# KiCad board SNES Device.kicad_pcb
title: SNES Controller Device; date: 2022-03-04; rev: 0.6; company: HCP65
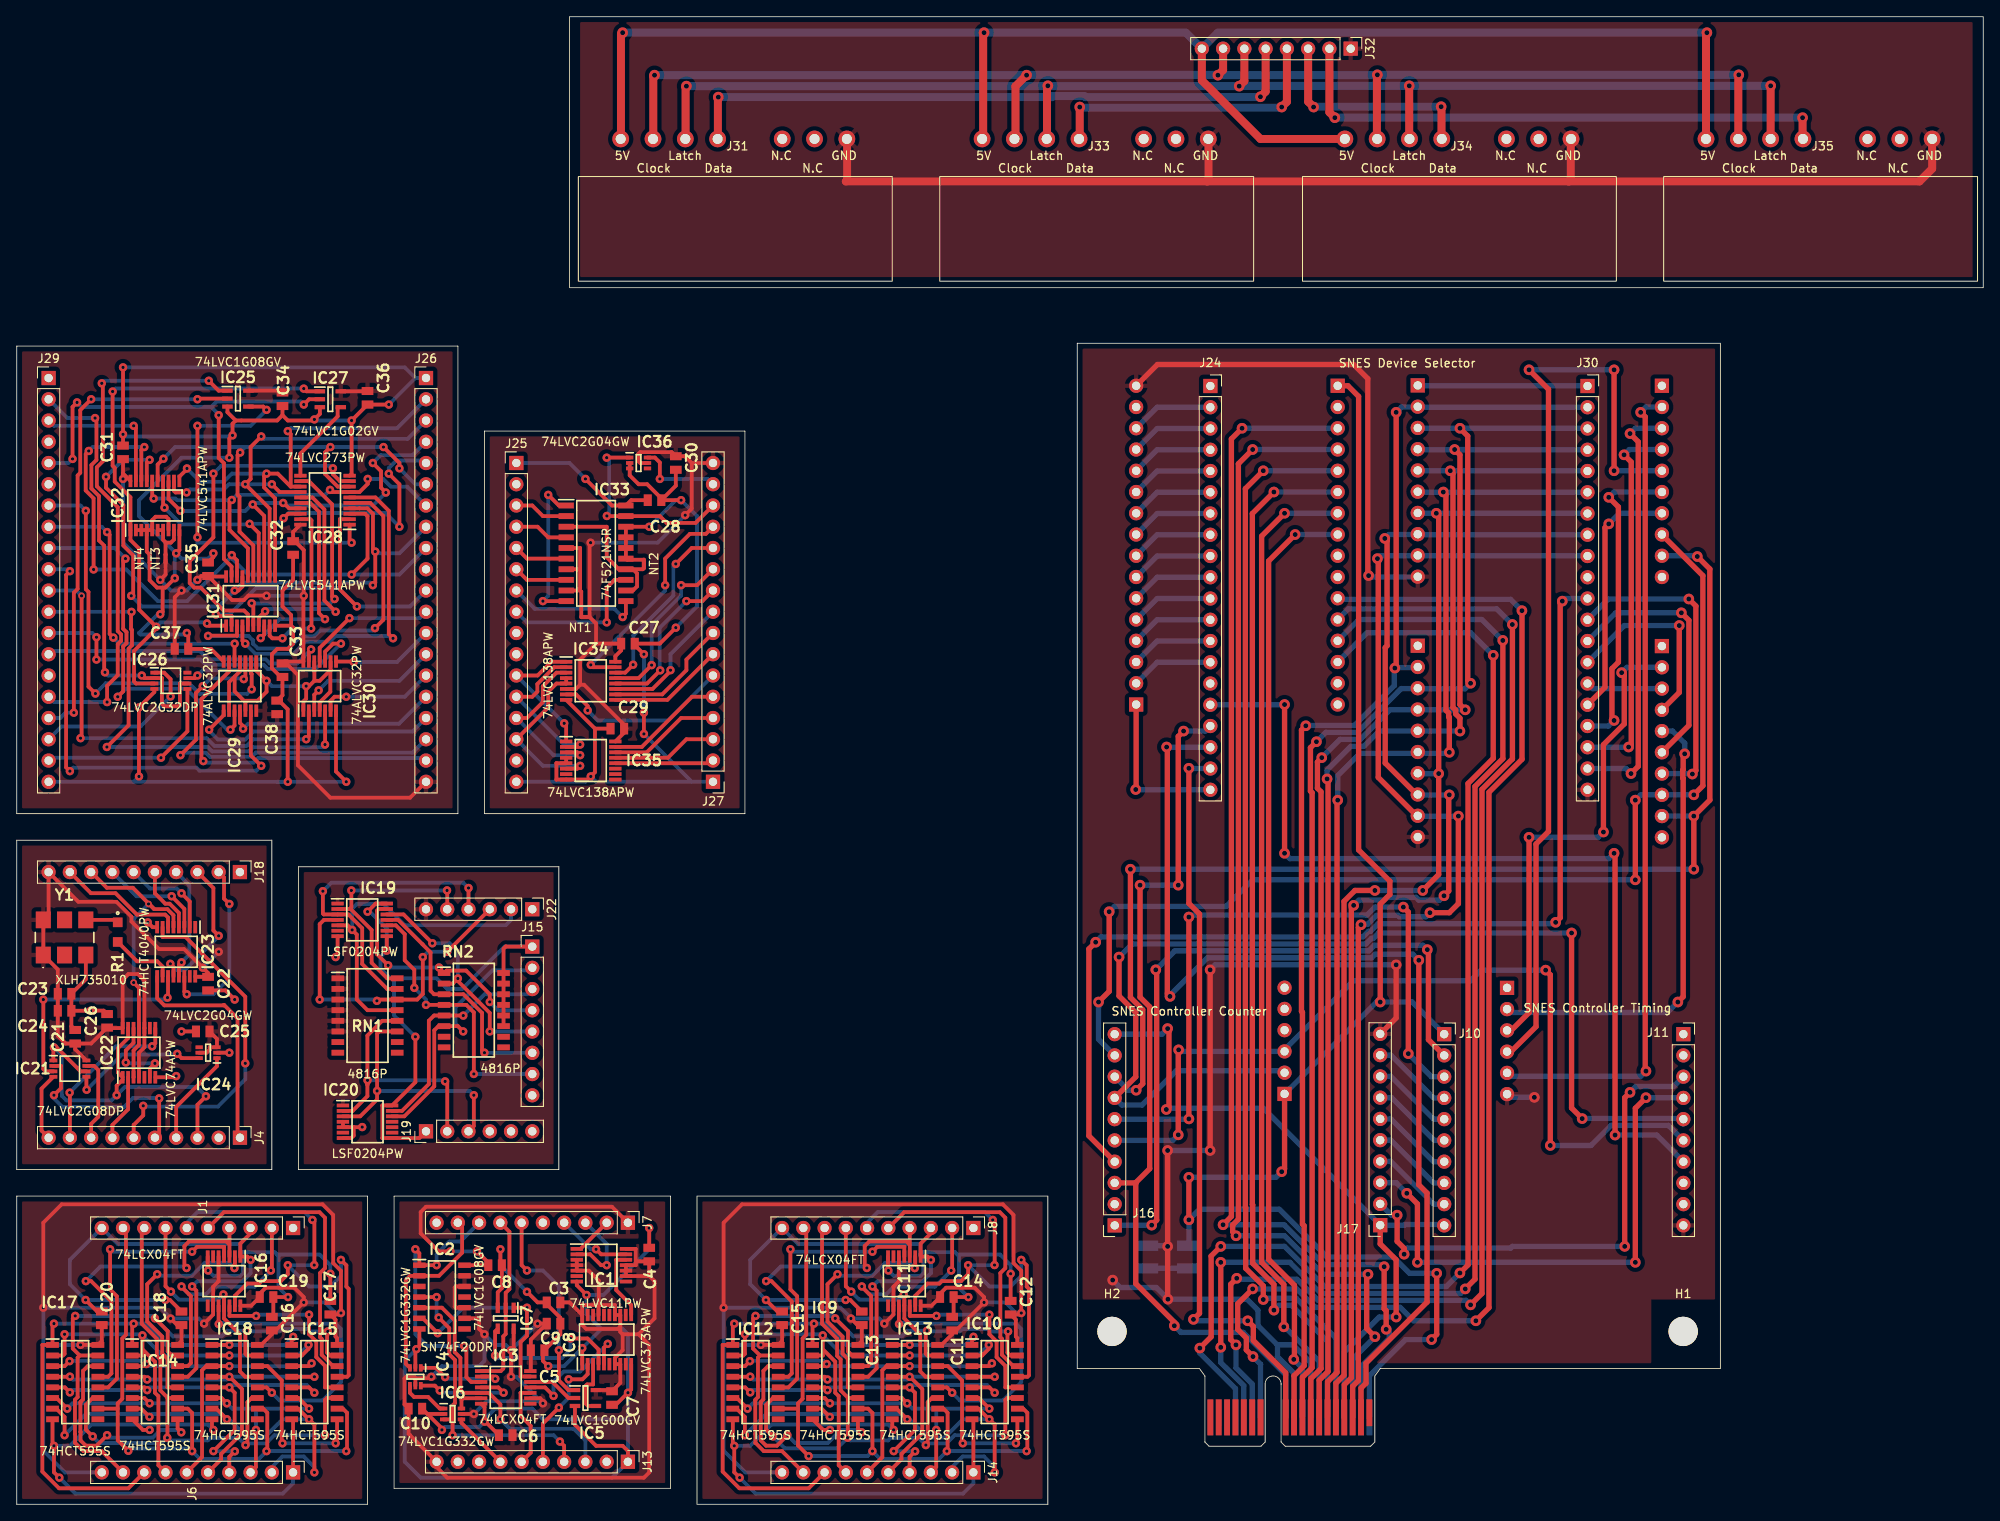
[diagram p0: board, top side]
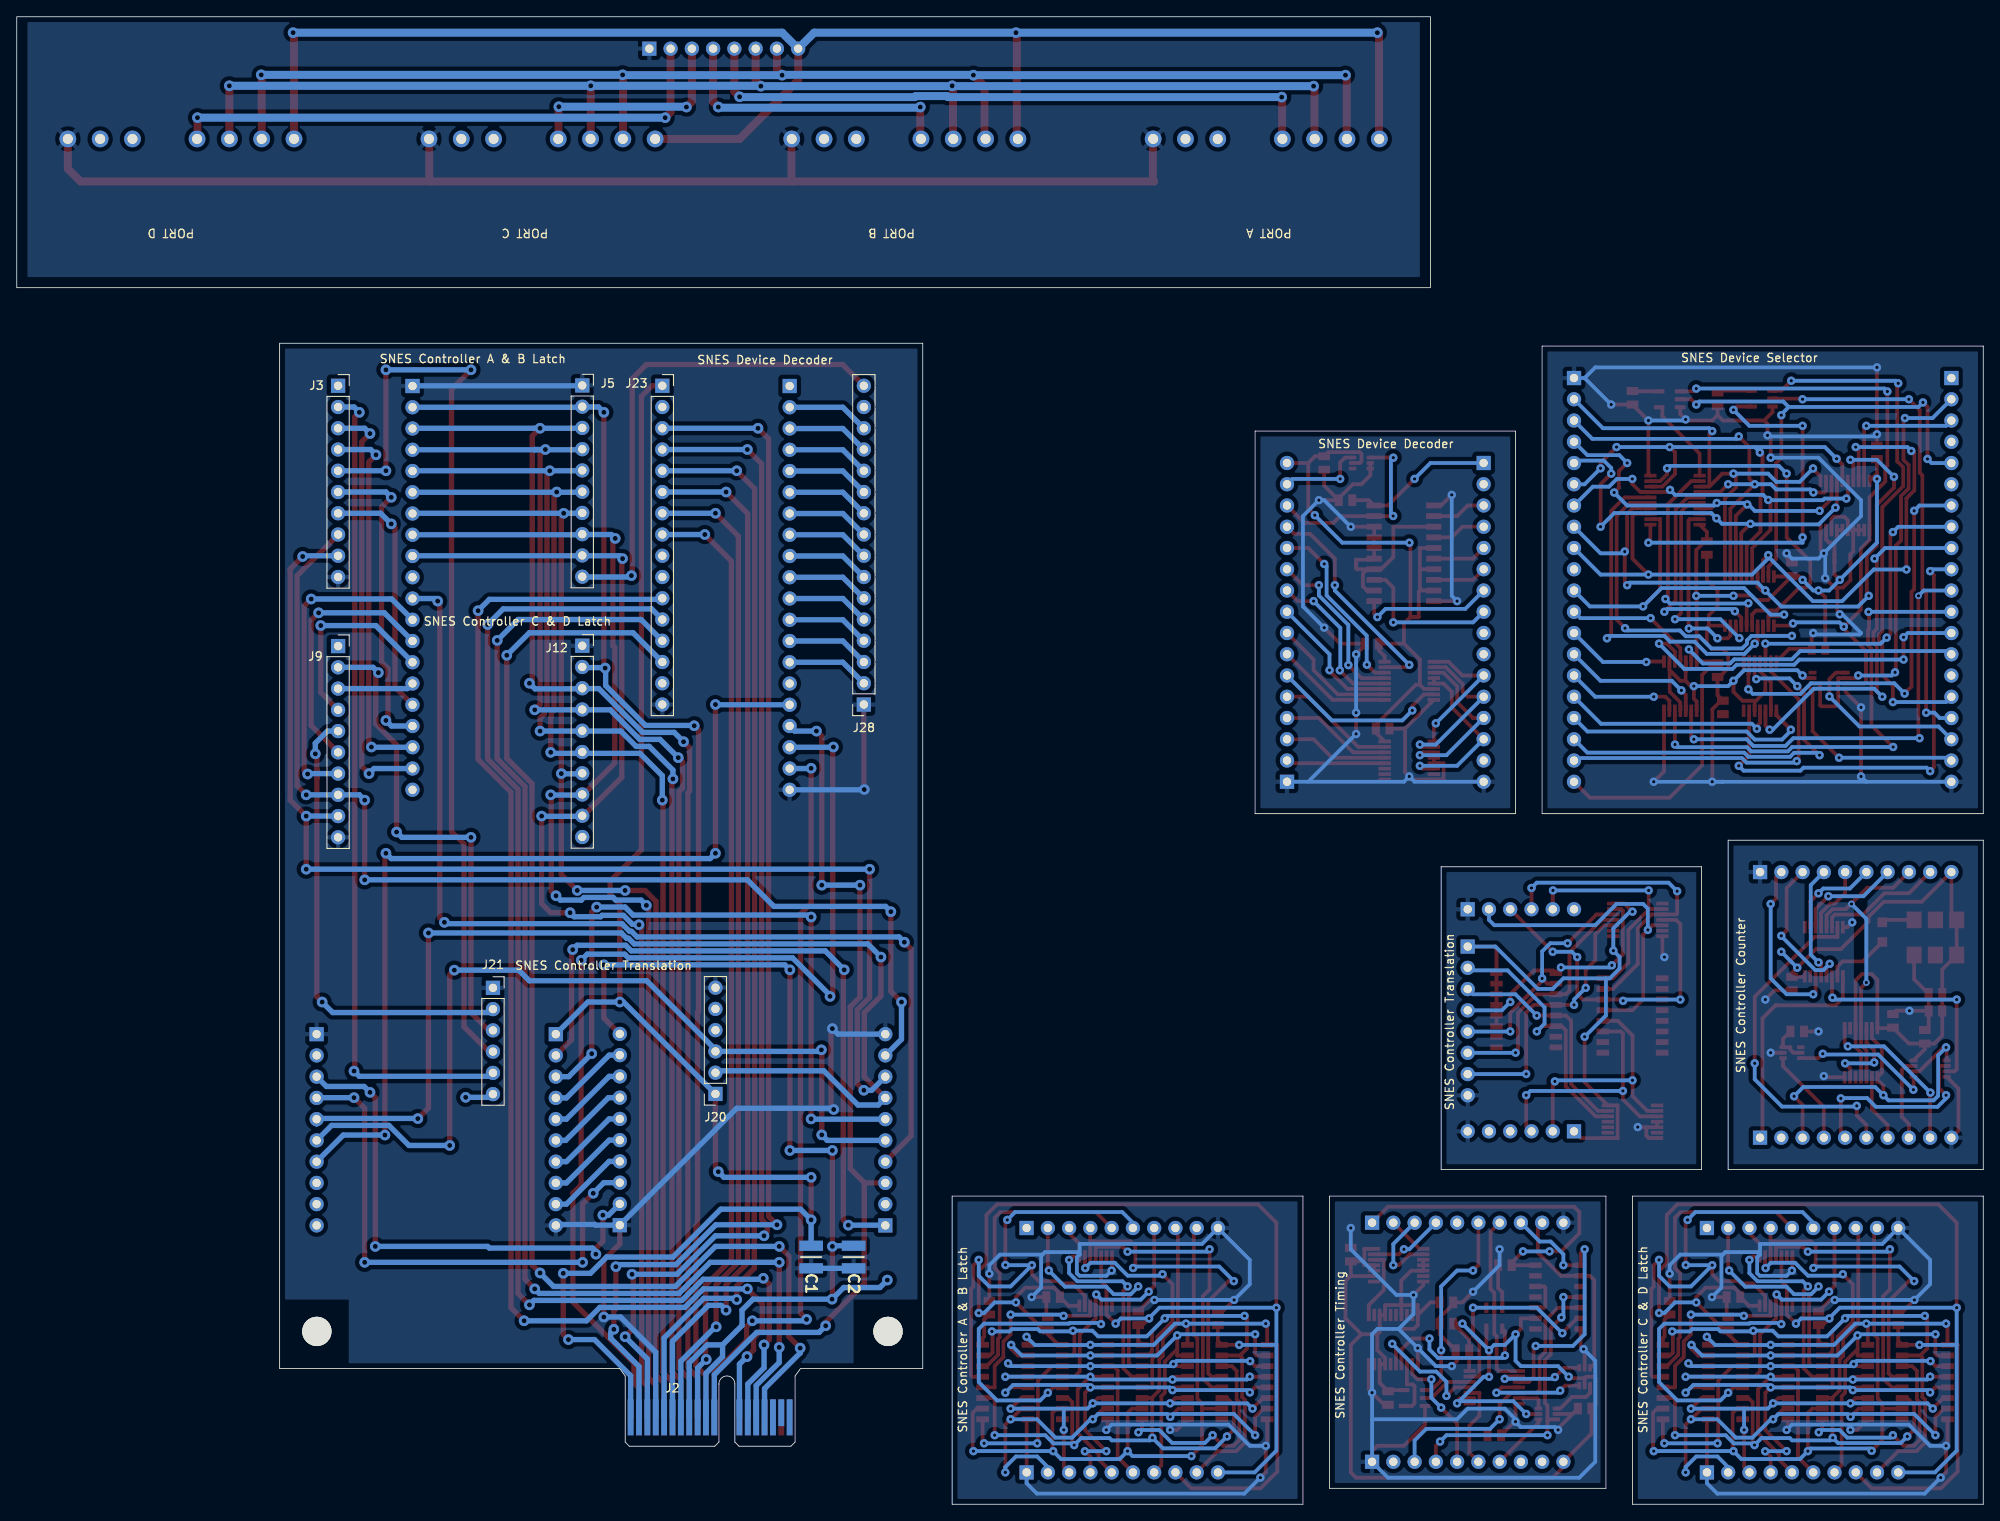
[diagram p1: board, bottom side, seen from below]

Outline 234.95 x 177.8 mm; copper layers: Top, Bottom. Coordinates in mm from the lower left corner of the outline.
Outline path: rectangle 66.04,177.8 234.95,145.41 ; 141.96,15.34 141.31,16.22 126.71,16.22 126.71,138.77 203.54,138.77 203.54,16.22 162.9,16.22 162.26,15.34 ; 0,138.43 52.7,138.43 52.7,82.55 0,82.55 0,138.43 ; 0,79.38 30.48,79.38 30.48,40 0,40 0,79.38 ; 0,36.83 41.91,36.83 41.91,0 0,0 0,36.83 ; 33.66,76.2 64.77,76.2 64.77,40 33.66,40 33.66,76.2 ; 45.08,36.83 78.1,36.83 78.1,1.91 45.08,1.91 45.08,36.83 ; 55.88,128.27 55.88,82.55 86.99,82.55 86.99,128.27 55.88,128.27 ; 81.28,36.83 123.19,36.83 123.19,0 81.28,0 81.28,36.83
Stack: Top 0.035mm / dielectric 1.51mm FR4 er 4.5 / Bottom 0.035mm

## Placement (name value [footprint] x y rotation side)
C1  LMK325ABJ107MM-T  [CAPC3226X280N]  140.04 29.55 270 bottom
C2  LMK325ABJ107MM-T  [CAPC3226X280N]  134.96 29.55 90 bottom
C3  885012207033  [CAPC2012X90N]  64.13 24.13 180 top
C4  885012207033  [CAPC2012X90N]  75.56 29.84 90 top
C5  885012207033  [CAPC2012X90N]  62.23 18.41 0 top
C6  885012207033  [CAPC2012X90N]  58.42 8.25 180 top
C7  885012207033  [CAPC2012X90N]  71.12 12.7 270 top
C8  885012207033  [CAPC2012X90N]  57.15 28.57 0 top
C9  885012207033  [CAPC2012X90N]  64.13 21.59 0 top
C10  885012207033  [CAPC2012X90N]  47.62 11.43 0 top
C11  885012207033  [CAPC2012X90N]  111.76 21.59 90 top
C12  885012207033  [CAPC2012X90N]  118.74 23.5 90 top
C13  885012207033  [CAPC2012X90N]  100.96 22.22 90 top
C14  885012207033  [CAPC2012X90N]  111.12 24.76 0 top
C15  885012207033  [CAPC2012X90N]  91.44 22.22 90 top
C16  885012207033  [CAPC2012X90N]  30.48 21.59 90 top
C17  885012207033  [CAPC2012X90N]  37.47 23.5 90 top
C18  885012207033  [CAPC2012X90N]  19.68 22.22 90 top
C19  885012207033  [CAPC2012X90N]  29.85 24.76 0 top
C20  885012207033  [CAPC2012X90N]  10.16 22.22 90 top
C21  885012207033  [CAPC2012X90N]  6.98 55.88 90 top
C22  885012207033  [CAPC2012X90N]  22.86 62.23 270 top
C23  885012207027  [CAPC2012X90N]  5.71 61.02 0 top
C24  885012207033  [CAPC2012X90N]  5.71 58.99 0 top
C25  885012207033  [CAPC2012X90N]  22.22 56.51 180 top
C26  885012207033  [CAPC2012X90N]  10.79 57.78 90 top
C27  885012207033  [CAPC2012X90N]  73.02 102.87 0 top
C28  885012207033  [CAPC2012X90N]  76.2 120.01 0 top
C29  885012207033  [CAPC2012X90N]  71.75 92.71 180 top
C30  885012207033  [CAPC2012X90N]  78.74 124.46 270 top
C31  885012207033  [CAPC2012X90N]  12.7 125.73 90 top
C32  885012207033  [CAPC2012X90N]  33.02 114.3 270 top
C33  885012207033  [CAPC2012X90N]  31.75 99.69 270 top
C34  885012207033  [CAPC2012X90N]  31.75 132.08 270 top
C35  885012207033  [CAPC2012X90N]  22.86 111.76 90 top
C36  885012207033  [CAPC2012X90N]  41.91 132.25 270 top
C37  885012207033  [CAPC2012X90N]  19.68 102.23 0 top
C38  885012207033  [CAPC2012X90N]  31.11 95.25 90 top
H1  MountingHole  [MountingHole_3.5mm]  199.1 20.66 0 top
H2  MountingHole  [MountingHole_3.5mm]  130.86 20.66 0 top
IC1  74LVC11PW,112  [SOP65P640X110-14N]  69.85 28.57 0 top
IC2  SN74F20DR  [SOIC127P600X175-14N]  50.8 24.76 0 top
IC3  74LCX04FT_AE_  [SOP65P640X120-14N]  58.42 13.97 0 top
IC4  74LVC1G332GW-Q100H  [SOP65P210X110-6N]  47.62 15.24 270 top
IC5  74LVC1G00GV,125  [SOT95P275X110-5N]  67.94 12.7 0 top
IC6  74LVC1G332GW-Q100H  [SOP65P210X110-6N]  52.07 10.79 0 top
IC7  74LVC1G08GV,125  [SOT95P275X110-5N]  58.42 22.22 270 top
IC8  74LVC373APW,118  [SOP65P640X110-20N]  70.48 19.69 90 top
IC9  74HCT595S16-13  [SOIC127P600X175-16N]  97.79 14.6 0 top
IC10  74HCT595S16-13  [SOIC127P600X175-16N]  116.84 14.6 0 top
IC11  74LCX04FT_AE_  [SOP65P640X120-14N]  106.05 26.67 270 top
IC12  74HCT595S16-13  [SOIC127P600X175-16N]  88.27 14.6 0 top
IC13  74HCT595S16-13  [SOIC127P600X175-16N]  107.31 14.6 0 top
IC14  74HCT595S16-13  [SOIC127P600X175-16N]  16.51 14.6 0 top
IC15  74HCT595S16-13  [SOIC127P600X175-16N]  35.56 14.6 0 top
IC16  74LCX04FT_AE_  [SOP65P640X120-14N]  24.76 26.67 270 top
IC17  74HCT595S16-13  [SOIC127P600X175-16N]  6.98 14.6 0 top
IC18  74HCT595S16-13  [SOIC127P600X175-16N]  26.04 14.6 0 top
IC19  LSF0204PW-Q100J  [SOP65P640X110-14N]  41.28 69.85 0 top
IC20  LSF0204PW-Q100J  [SOP65P640X110-14N]  41.91 45.72 0 top
IC21  74LVC2G08DP-Q100H  [SOP65P400X110-8N]  6.35 52.07 0 top
IC22  74LVC74APW,118  [SOP65P640X110-14N]  14.61 53.97 90 top
IC23  74HCT4040PW,118  [SOP65P640X110-16N]  19.05 66.04 270 top
IC24  74LVC2G04GW-Q100H  [SOP65P210X110-6N]  22.86 53.97 180 top
IC25  74LVC1G08GV,125  [SOT95P275X110-5N]  26.43 132.16 0 top
IC26  74LVC2G32DP,125  [SOP65P400X110-8N]  18.42 98.42 0 top
IC27  74LVC1G02GV,125  [SOT95P275X110-5N]  37.47 132.08 0 top
IC28  74LVC273PW,118  [SOP65P640X110-20N]  36.83 120.01 180 top
IC29  74ALVC32PW,118  [SOP65P640X110-14N]  26.67 97.79 270 top
IC30  74ALVC32PW,118  [SOP65P640X110-14N]  36.19 97.79 90 top
IC31  74LVC541APW,118  [SOP65P640X110-20N]  27.94 107.95 90 top
IC32  74LVC541APW,118  [SOP65P640X110-20N]  16.51 119.38 90 top
IC33  SN74F521NSR  [SOIC127P780X200-20N]  69.21 113.66 0 top
IC34  74LVC138APW-Q100J  [SOP65P640X110-16N]  68.58 98.42 0 top
IC35  74LVC138APW-Q100J  [SOP65P640X110-16N]  68.58 88.9 0 top
IC36  74LVC2G04GW-Q100H  [SOP65P210X110-6N]  74.3 124.46 0 top
J1  Conn_01x10_Male  [PinHeader_1x10_P2.54mm_Vertical]  33.02 33.02 270 top
J2  HCP65_PCI_Express_x36_pin  [BUS_PCIexpress_x1]  161.61 10.39 180 bottom
J3  Conn_02x05_Top_Bottom  [PinSocket_1x10_P2.54mm_Vertical]  196.56 133.69 180 bottom
J4  Conn_01x10_Male  [PinHeader_1x10_P2.54mm_Vertical]  26.67 43.81 270 top
J5  Conn_02x05_Top_Bottom  [PinSocket_1x10_P2.54mm_Vertical]  167.39 133.73 180 bottom
J6  Conn_01x10_Male  [PinHeader_1x10_P2.54mm_Vertical]  33.02 3.81 270 top
J7  Conn_01x10_Male  [PinHeader_1x10_P2.54mm_Vertical]  73.02 33.66 270 top
J8  Conn_01x10_Male  [PinHeader_1x10_P2.54mm_Vertical]  114.3 33.02 270 top
J9  Conn_02x05_Top_Bottom  [PinSocket_1x10_P2.54mm_Vertical]  196.56 102.58 180 bottom
J10  Conn_02x05_Top_Bottom  [PinSocket_1x10_P2.54mm_Vertical]  170.55 56.19 0 top
J11  Conn_02x05_Top_Bottom  [PinSocket_1x10_P2.54mm_Vertical]  199.12 56.19 0 top
J12  Conn_02x05_Top_Bottom  [PinSocket_1x10_P2.54mm_Vertical]  167.39 102.62 180 bottom
J13  Conn_01x10_Male  [PinHeader_1x10_P2.54mm_Vertical]  73.02 5.08 270 top
J14  Conn_01x10_Male  [PinHeader_1x10_P2.54mm_Vertical]  114.3 3.81 270 top
J15  Conn_01x08_Male  [PinHeader_1x08_P2.54mm_Vertical]  61.59 66.66 0 top
J16  Conn_02x05_Top_Bottom  [PinSocket_1x10_P2.54mm_Vertical]  131.18 33.33 180 top
J17  Conn_02x05_Top_Bottom  [PinSocket_1x10_P2.54mm_Vertical]  162.9 33.36 180 top
J18  Conn_01x10_Male  [PinHeader_1x10_P2.54mm_Vertical]  26.67 75.56 270 top
J19  Conn_01x06_Male  [PinHeader_1x06_P2.54mm_Vertical]  48.89 44.58 90 top
J20  Conn_02x03_Top_Bottom  [PinSocket_1x06_P2.54mm_Vertical]  151.47 49.05 0 bottom
J21  Conn_02x03_Top_Bottom  [PinSocket_1x06_P2.54mm_Vertical]  178.05 61.72 180 bottom
J22  Conn_01x06_Male  [PinHeader_1x06_P2.54mm_Vertical]  61.59 71.12 270 top
J23  Conn_01x16_Female  [PinSocket_1x16_P2.54mm_Vertical]  157.82 133.69 180 bottom
J24  Conn_01x20_Female  [PinSocket_1x20_P2.54mm_Vertical]  142.61 133.66 0 top
J25  Conn_01x16_Male  [PinHeader_1x16_P2.54mm_Vertical]  59.69 124.46 0 top
J26  Conn_01x20_Male  [PinHeader_1x20_P2.54mm_Vertical]  48.89 134.62 0 top
J27  Conn_01x16_Male  [PinHeader_1x16_P2.54mm_Vertical]  83.19 86.36 180 top
J28  Conn_01x16_Female  [PinSocket_1x16_P2.54mm_Vertical]  133.74 95.59 0 bottom
J29  Conn_01x20_Male  [PinHeader_1x20_P2.54mm_Vertical]  3.81 134.62 0 top
J30  Conn_01x20_Female  [PinSocket_1x20_P2.54mm_Vertical]  187.67 133.66 0 top
J31  Conn_01x07_Male  [SNES Controller Port]  87.6 163.19 0 top
J32  Conn_01x08_Male  [PinHeader_1x08_P2.54mm_Vertical]  159.37 173.98 270 top
J33  Conn_01x07_Male  [SNES Controller Port]  130.78 163.19 0 top
J34  Conn_01x07_Male  [SNES Controller Port]  174.12 163.19 0 top
J35  Conn_01x07_Male  [SNES Controller Port]  217.27 163.19 0 top
NT1  NetTie_2  [NetTie-2_SMD_Pad0.5mm]  67.94 106.04 180 top
NT2  NetTie_2  [NetTie-2_SMD_Pad0.5mm]  74.93 112.39 270 top
NT3  NetTie_2  [NetTie-2_SMD_Pad0.5mm]  17.78 113.03 90 top
NT4  NetTie_2  [NetTie-2_SMD_Pad0.5mm]  15.88 113.03 90 top
R1  ERJ-P06F49R9V  [ERJP06__0805_]  12.07 68.38 270 top
RN1  4816P-1-222LF  [SOIC127P762X215-16N]  41.91 58.42 0 top
RN2  4816P-1-222LF  [SOIC127P762X215-16N]  54.61 59.06 0 top
Y1  XLH735010.000000X  [XLH735010000000X]  5.71 67.75 0 top

## Library data of the parts
C1 C2 = -: Description: Multilayer Ceramic Capacitors MLCC - SMD/SMT 100uF 10V X5R +/-20% 1210 Gen Purp; Arrow Price/Stock: https://www.arrow.com/en/products/lmk325abj107mm-t/taiyo-yuden; Height: 2.8; Manufacturer_Name: TAIYO YUDEN; Mouser Part Number: 963-LMK325ABJ107MM-T; Mouser Price/Stock: https://www.mouser.co.uk/ProductDetail/Taiyo-Yuden/LMK325ABJ107MM-T?qs=vF%252B8ahGVildt1dMAR3otvQ%3D%3D
C3-C22 C24-C38 = -: Description: MLCC 1000pF; Height: 0.9; Manufacturer_Name: Wurth Elektronik; Mouser Part Number: 710-885012207033; Mouser Price/Stock: https://www.mouser.co.uk/ProductDetail/Wurth-Elektronik/885012207033?qs=0KOYDY2FL28ky2lrUPvQ%2Fw%3D%3D
C23 = -: Description: Multilayer Ceramic Chip Capacitor WCAP-CSGP Series 0805 100pF X7R0805101K016DFCT10000; Height: 0.9; Manufacturer_Name: Wurth Elektronik; Mouser Part Number: 710-885012207027; Mouser Price/Stock: https://www.mouser.co.uk/ProductDetail/Wurth-Elektronik/885012207027?qs=0KOYDY2FL28IWYVDh0DkrQ%3D%3D
IC1 = -: Description: 3-input AND gate; Height: 1.1; Manufacturer_Name: Nexperia; Mouser Part Number: 771-LVC11PW112; Mouser Price/Stock: https://www.mouser.co.uk/ProductDetail/Nexperia/74LVC11PW112?qs=me8TqzrmIYUpAtZGADtB2w%3D%3D; Silk: 74LVC11PW
IC2 = -: Description: 4-input NAND gate; Height: 1.75; Manufacturer_Name: Texas Instruments; Mouser Part Number: 595-SN74F20DR; Mouser Price/Stock: https://www.mouser.co.uk/ProductDetail/Texas-Instruments/SN74F20DR?qs=mE33ZKBHyE7dV637H3Qthw%3D%3D
IC3 IC11 IC16 = -: Description: Inverter; Height: 1.2; Manufacturer_Name: Toshiba; Manufacturer_Part_Number: 74LCX04FT(AE); Mouser Part Number: 757-74LCX04FTAE; Mouser Price/Stock: https://www.mouser.co.uk/ProductDetail/Toshiba/74LCX04FTAE?qs=cW4DzVrAanMxusL1byWNzQ%3D%3D; Silk: 74LCX04FT
IC4 IC6 = -: Description: 3-input OR gate; Height: 1.1; Manufacturer_Name: Nexperia; Mouser Part Number: 771-74LVC1G332GWQ100; Mouser Price/Stock: https://www.mouser.co.uk/ProductDetail/Nexperia/74LVC1G332GW-Q100H?qs=Yna0arPQ0CSfUb2mWnpHQA%3D%3D; Silk: 74LVC1G332GW
IC5 = -: Description: 2-Input NAND gate; Height: 1.1; Manufacturer_Name: Nexperia; Mouser Part Number: 771-LVC1G00GV125; Mouser Price/Stock: https://www.mouser.co.uk/ProductDetail/Nexperia/74LVC1G00GV125?qs=me8TqzrmIYUdcQ5DZJlNiw%3D%3D; Silk: 74LVC1G00GV
IC7 IC25 = -: Description: 2-input AND gate; Arrow Price/Stock: https://www.arrow.com/en/products/74lvc1g08gv125/nexperia; Height: 1.1; Manufacturer_Name: Nexperia; Mouser Part Number: 771-74LVC1G08GV; Mouser Price/Stock: https://www.mouser.co.uk/ProductDetail/Nexperia/74LVC1G08GV125?qs=me8TqzrmIYXEnurJEPZc7A%3D%3D; Silk: 74LVC1G08GV
IC8 = -: Description: 8-bit D-Type latch; Arrow Price/Stock: https://www.arrow.com/en/products/74lvc373apw118/nexperia; Height: 1.1; Manufacturer_Name: Nexperia; Mouser Part Number: 771-74LVC373APW-T; Mouser Price/Stock: https://www.mouser.co.uk/ProductDetail/Nexperia/74LVC373APW118?qs=me8TqzrmIYXfx7wywyYFRQ%3D%3D; Silk: 74LVC373APW
IC9 IC10 IC12-IC15 IC17 IC18 = -: Description: 8-stage Serial to Parallel Shift Register; Height: 1.75; Manufacturer_Name: Diodes Inc.; Mouser Part Number: 621-74HCT595S16-13; Mouser Price/Stock: https://www.mouser.co.uk/ProductDetail/Diodes-Incorporated/74HCT595S16-13?qs=Oxncjon6mbpgzt%2FDZvS0qg%3D%3D; Silk: 74HCT595S
IC19 IC20 = -: Description: Voltage Translator; Height: 1.1; Manufacturer_Name: Nexperia; Mouser Part Number: 771-LSF0204PW-Q100J; Mouser Price/Stock: https://www.mouser.co.uk/ProductDetail/Nexperia/LSF0204PW-Q100J?qs=DPoM0jnrROXA8naUdxkzeA%3D%3D; Silk: LSF0204PW
IC21 = -: Description: 2-input AND gate; Arrow Price/Stock: https://www.arrow.com/en/products/74lvc2g08dp-q100h/nexperia?region=nac; Height: 1.1; Manufacturer_Name: Nexperia; Mouser Part Number: 771-74LVC2G08DPQ100H; Mouser Price/Stock: https://www.mouser.co.uk/ProductDetail/Nexperia/74LVC2G08DP-Q100H?qs=fi7yB2oewZnJ07IC2YGuEQ%3D%3D; Silk: 74LVC2G08DP
IC22 = -: Description: D-type flip-flop; Height: 1.1; Manufacturer_Name: Nexperia; Mouser Part Number: 771-74LVC74APW-T; Mouser Price/Stock: https://www.mouser.co.uk/ProductDetail/Nexperia/74LVC74APW118?qs=me8TqzrmIYVtXwVfet0lzw%3D%3D; Silk: 74LVC74APW
IC23 = -: Description: 12-stage ripple counter; Arrow Price/Stock: https://www.arrow.com/en/products/74hct4040pw118/nexperia; Height: 1.1; Manufacturer_Name: Nexperia; Mouser Part Number: 771-HCT4040PW118; Mouser Price/Stock: https://www.mouser.co.uk/ProductDetail/Nexperia/74HCT4040PW118?qs=me8TqzrmIYWO3Xv2GCrOxg%3D%3D; Silk: 74HCT4040PW
IC24 IC36 = -: Description: Inverter; Arrow Price/Stock: https://www.arrow.com/en/products/74lvc2g04gw-q100h/nexperia; Height: 1.1; Manufacturer_Name: Nexperia; Mouser Part Number: 771-74LVC2G04GWQ100H; Mouser Price/Stock: https://www.mouser.co.uk/ProductDetail/Nexperia/74LVC2G04GW-Q100H?qs=Yna0arPQ0CQTXbBDVSrZqQ%3D%3D; Silk: 74LVC2G04GW
IC26 = -: Description: 2-Input OR gate; Arrow Price/Stock: https://www.arrow.com/en/products/74lvc2g32dp125/nexperia?region=nac; Height: 1.1; Manufacturer_Name: Nexperia; Mouser Part Number: 771-LVC2G32DP125; Mouser Price/Stock: https://www.mouser.co.uk/ProductDetail/Nexperia/74LVC2G32DP125?qs=me8TqzrmIYW%2FQ9dGbQTEYg%3D%3D; Silk: 74LVC2G32DP
IC27 = -: Description: 2-input NOR gate; Arrow Price/Stock: https://www.arrow.com/en/products/74lvc1g02gv125/nexperia?region=nac; Height: 1.1; Manufacturer_Name: Nexperia; Mouser Part Number: 771-LVC1G02GV125; Mouser Price/Stock: https://www.mouser.co.uk/ProductDetail/Nexperia/74LVC1G02GV125?qs=me8TqzrmIYX6GMf4PLx9gg%3D%3D; Silk: 74LVC1G02GV
IC28 = -: Description: 8-bit D-Type flip flop; Arrow Price/Stock: https://www.arrow.com/en/products/74lvc273pw118/nexperia; Height: 1.1; Manufacturer_Name: Nexperia; Mouser Part Number: 771-74LVC273PW-T; Mouser Price/Stock: https://www.mouser.com/Search/Refine.aspx?Keyword=771-74LVC273PW-T; Silk: 74LVC273PW
IC29 IC30 = -: Description: 2-input OR gate; Height: 1.1; Manufacturer_Name: Nexperia; Mouser Part Number: 771-ALVC32PW118; Mouser Price/Stock: https://www.mouser.co.uk/ProductDetail/Nexperia/74ALVC32PW118?qs=P62ublwmbi8O1PZSQC2ZSw%3D%3D; Silk: 74ALVC32PW
IC31 IC32 = -: Description: 8-bit line driver; Height: 1.1; Manufacturer_Name: Nexperia; Mouser Part Number: 771-74LVC541APW-T; Mouser Price/Stock: https://www.mouser.co.uk/ProductDetail/Nexperia/74LVC541APW118?qs=me8TqzrmIYXvoPByM7nnJQ%3D%3D; Silk: 74LVC541APW
IC33 = -: Description: 8-bit Comparator; Height: 2; Manufacturer_Name: Texas Instruments; Mouser Part Number: 595-SN74F521NSR; Mouser Price/Stock: https://www.mouser.co.uk/ProductDetail/Texas-Instruments/SN74F521NSR?qs=mE33ZKBHyE6KJhInhzfN1g%3D%3D; Silk: 74F521NSR
IC34 IC35 = -: Description: 3-to-8 line decoder; Height: 1.1; Manufacturer_Name: Nexperia; Mouser Part Number: 771-74LVC138APWQ100J; Mouser Price/Stock: https://www.mouser.co.uk/ProductDetail/Nexperia/74LVC138APW-Q100J?qs=fi7yB2oewZnXKE82xo%252BhJQ%3D%3D; Silk: 74LVC138APW
R1 = -: Description: Thick Film Resistors - SMD 0805 49.9ohms 0.5W 1% AEC-Q200; Arrow Price/Stock: https://www.arrow.com/en/products/erj-p06f49r9v/panasonic; Height: 0.7; Manufacturer_Name: Panasonic; Mouser Part Number: 667-ERJ-P06F49R9V; Mouser Price/Stock: https://www.mouser.com/Search/Refine.aspx?Keyword=667-ERJ-P06F49R9V
RN1 RN2 = -: Description: 2.2k Isolated Resistor Network; Arrow Price/Stock: https://www.arrow.com/en/products/4816p-1-222lf/bourns; Height: 2.15; Manufacturer_Name: Bourns; Mouser Part Number: 652-4816P-1LF-2.2K; Mouser Price/Stock: https://www.mouser.co.uk/ProductDetail/Bourns/4816P-1-222LF?qs=RWPSkEkPOWyLUoLiQ8qlEw%3D%3D; Silk: 4816P
Y1 = -: Description: Clock Oscillator 10MHz; Height: 1.45; Manufacturer_Name: IDT; Mouser Part Number: 972-XLH735010000000X; Mouser Price/Stock: https://www.mouser.com/Search/Refine.aspx?Keyword=972-XLH735010000000X; Silk: XLH735010

## Footprints (pads in the part's own frame, mm; a bottom-side part is the same pattern mirrored in y, then rotated)
BUS_PCIexpress_x1
  rect 0.7x3.2 smd far side: A1(0,0.55)
  rect 0.7x4.3 smd far side: A2(1,0) A3(2,0) A4(3,0) A5(4,0) A6(5,0) A7(6,0) A8(7,0) A9(8,0) A10(9,0) A11(10,0) A12(13,0) A13(14,0) A14(15,0) A15(16,0) A16(17,0) A17(18,0) A18(19,0)
  rect 0.7x4.3 smd: B1(0,0) B2(1,0) B3(2,0) B4(3,0) B5(4,0) B6(5,0) B7(6,0) B8(7,0) B9(8,0) B10(9,0) B11(10,0) B12(13,0) B13(14,0) B14(15,0) B15(16,0) B16(17,0) B18(19,0)
  rect 0.7x3.2 smd: B17(18,0.55)
CAPC2012X90N
  rect 0.96x1.39 smd: 1(-0.81,0) 2(0.81,0)
CAPC3226X280N
  rect 1.22x2.83 smd: 1(-1.35,0) 2(1.35,0)
ERJP06__0805_
  rect 1.15x1.15 smd: 1(-1.175,0) 2(1.175,0)
MountingHole_3.5mm
  round 3.5 hole 3.5 unplated: (0,0)
NetTie-2_SMD_Pad0.5mm
  round 0.5 smd: 1(-0.5,0) 2(0.5,0)
PinHeader_1x06_P2.54mm_Vertical
  rect 1.7x1.7 hole 1: 1(0,0)
  oval 1.7x1.7 hole 1: 2(0,-2.54) 3(0,-5.08) 4(0,-7.62) 5(0,-10.16) 6(0,-12.7)
PinHeader_1x08_P2.54mm_Vertical
  rect 1.7x1.7 hole 1: 1(0,0)
  oval 1.7x1.7 hole 1: 2(0,-2.54) 3(0,-5.08) 4(0,-7.62) 5(0,-10.16) 6(0,-12.7) 7(0,-15.24) 8(0,-17.78)
PinHeader_1x10_P2.54mm_Vertical
  rect 1.7x1.7 hole 1: 1(0,0)
  oval 1.7x1.7 hole 1: 2(0,-2.54) 3(0,-5.08) 4(0,-7.62) 5(0,-10.16) 6(0,-12.7) 7(0,-15.24) 8(0,-17.78) 9(0,-20.32) 10(0,-22.86)
PinHeader_1x16_P2.54mm_Vertical
  rect 1.7x1.7 hole 1: 1(0,0)
  oval 1.7x1.7 hole 1: 2(0,-2.54) 3(0,-5.08) 4(0,-7.62) 5(0,-10.16) 6(0,-12.7) 7(0,-15.24) 8(0,-17.78) 9(0,-20.32) 10(0,-22.86) 11(0,-25.4) 12(0,-27.94) 13(0,-30.48) 14(0,-33.02) 15(0,-35.56) 16(0,-38.1)
PinHeader_1x20_P2.54mm_Vertical
  rect 1.7x1.7 hole 1: 1(0,0)
  oval 1.7x1.7 hole 1: 2(0,-2.54) 3(0,-5.08) 4(0,-7.62) 5(0,-10.16) 6(0,-12.7) 7(0,-15.24) 8(0,-17.78) 9(0,-20.32) 10(0,-22.86) 11(0,-25.4) 12(0,-27.94) 13(0,-30.48) 14(0,-33.02) 15(0,-35.56) 16(0,-38.1) 17(0,-40.64) 18(0,-43.18) 19(0,-45.72) 20(0,-48.26)
PinSocket_1x06_P2.54mm_Vertical
  rect 1.7x1.7 hole 1: 1(0,0)
  oval 1.7x1.7 hole 1: 2(0,-2.54) 3(0,-5.08) 4(0,-7.62) 5(0,-10.16) 6(0,-12.7)
PinSocket_1x10_P2.54mm_Vertical
  rect 1.7x1.7 hole 1: 1(0,0)
  oval 1.7x1.7 hole 1: 2(0,-2.54) 3(0,-5.08) 4(0,-7.62) 5(0,-10.16) 6(0,-12.7) 7(0,-15.24) 8(0,-17.78) 9(0,-20.32) 10(0,-22.86)
PinSocket_1x16_P2.54mm_Vertical
  rect 1.7x1.7 hole 1: 1(0,0)
  oval 1.7x1.7 hole 1: 2(0,-2.54) 3(0,-5.08) 4(0,-7.62) 5(0,-10.16) 6(0,-12.7) 7(0,-15.24) 8(0,-17.78) 9(0,-20.32) 10(0,-22.86) 11(0,-25.4) 12(0,-27.94) 13(0,-30.48) 14(0,-33.02) 15(0,-35.56) 16(0,-38.1)
PinSocket_1x20_P2.54mm_Vertical
  rect 1.7x1.7 hole 1: 1(0,0)
  oval 1.7x1.7 hole 1: 2(0,-2.54) 3(0,-5.08) 4(0,-7.62) 5(0,-10.16) 6(0,-12.7) 7(0,-15.24) 8(0,-17.78) 9(0,-20.32) 10(0,-22.86) 11(0,-25.4) 12(0,-27.94) 13(0,-30.48) 14(0,-33.02) 15(0,-35.56) 16(0,-38.1) 17(0,-40.64) 18(0,-43.18) 19(0,-45.72) 20(0,-48.26)